# KiCad board demo_matrix2.kicad_pcb (continued)
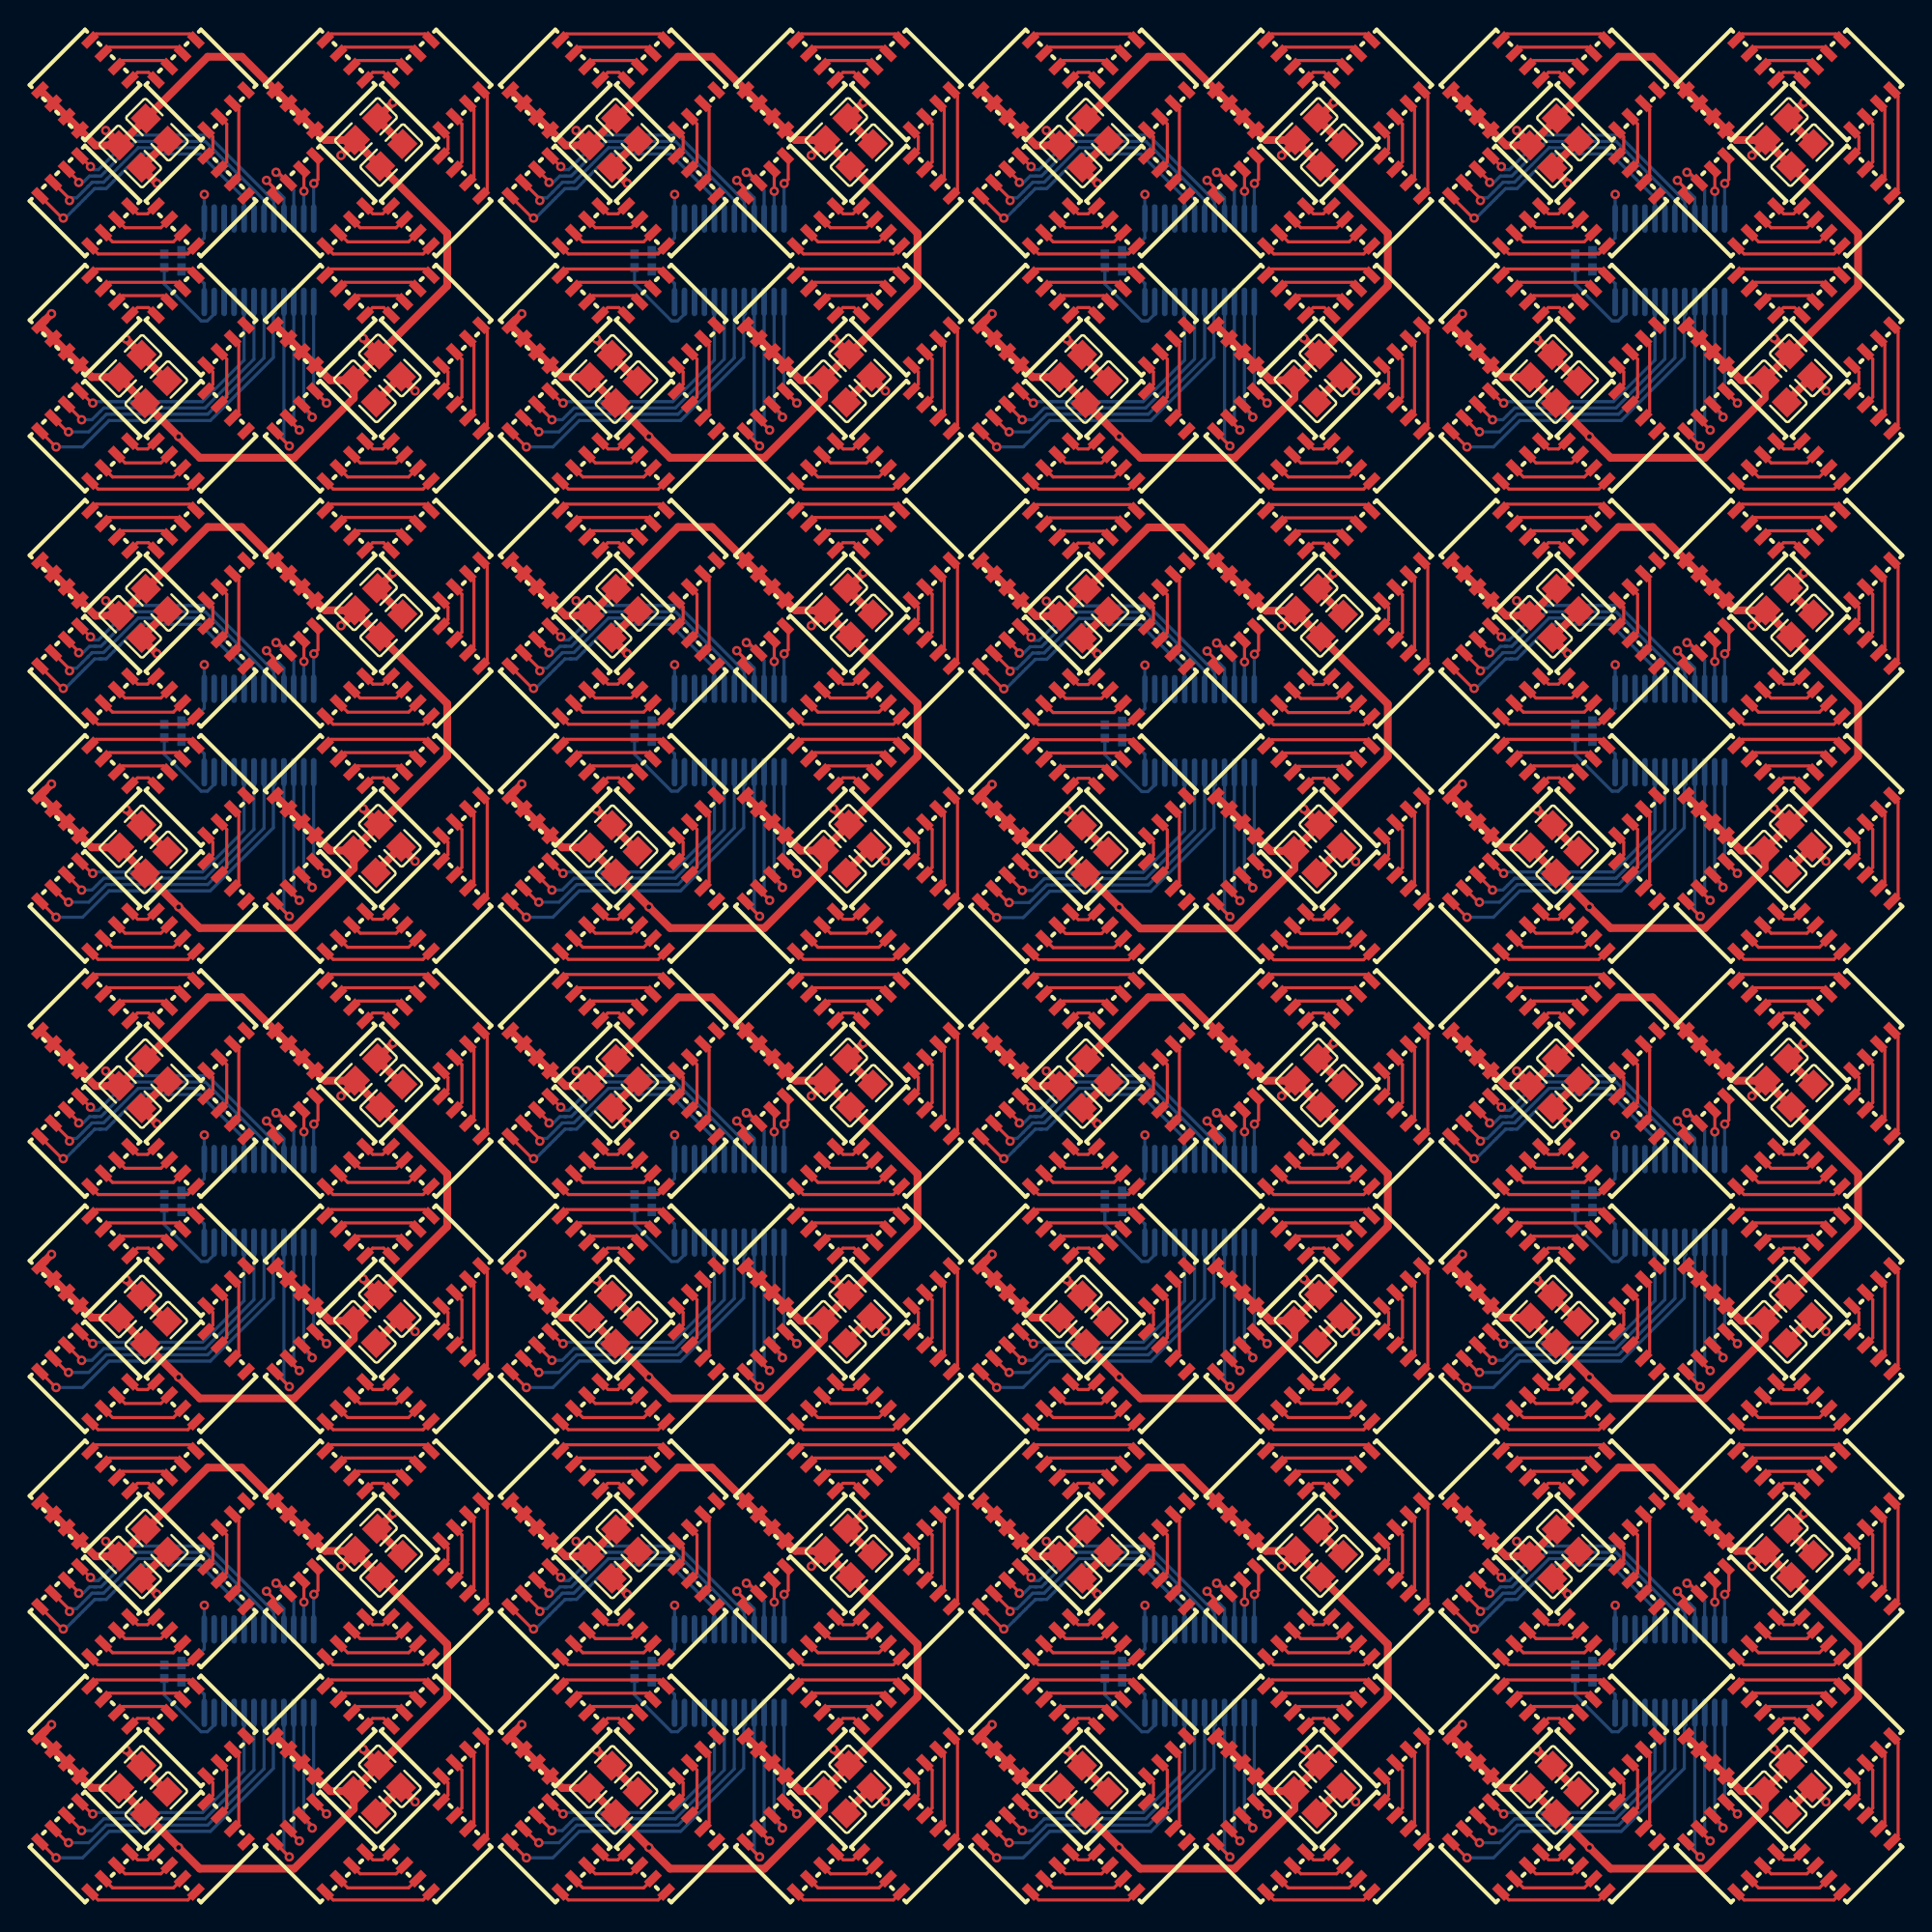
[diagram p0: board, top side]
## Routing (per net, layer and track width the routed paths; a pad name or vN(x,y) marks a point on that pad's centre or on a via; arc(x,y) is an arc through that point) (continued)
rgbs[2]-anodes-anode-2: length 3.7
  Top w0.2: LED2.5 12.84,109.91 12.84,107.49 LED3.6
rgbs[2]-anodes-anode-3: length 2
  Top w0.2: LED2.7 11.96,109.1 11.96,108.3 LED3.8
rgbs[2]-anodes-anode-4: length 5.4
  Top w0.2: LED7.4 28.61,106.56 28.61,110.84 LED6.3
rgbs[2]-anodes-anode-5: length 7.1
  Top w0.2: LED6.1 29.46,111.69 29.46,105.71 LED7.2
rgbs[2]-anodes-anode-6: length 3.7
  Top w0.2: LED6.5 27.84,109.91 27.84,107.49 LED7.6
rgbs[2]-anodes-anode-7: length 2
  Top w0.2: LED7.8 26.96,108.3 26.96,109.1 LED6.7
rgbs[2]-anodes-anode-8: length 5.4
  Top w0.2: LED11.4 13.61,91.56 13.61,95.84 LED10.3
rgbs[2]-anodes-anode-10: length 3.7
  Top w0.2: LED10.5 12.84,94.91 12.84,92.49 LED11.6
rgbs[2]-anodes-anode-11: length 2
  Top w0.2: LED10.7 11.96,94.1 11.96,93.3 LED11.8
rgbs[2]-anodes-anode-12: length 5.4
  Top w0.2: LED14.3 28.61,95.84 28.61,91.56 LED15.4
rgbs[2]-anodes-anode-13: length 7.1
  Top w0.2: LED14.1 29.46,96.69 29.46,90.71 LED15.2
rgbs[2]-anodes-anode-14: length 3.7
  Top w0.2: LED15.6 27.84,92.49 27.84,94.91 LED14.5
rgbs[2]-anodes-anode-15: length 2
  Top w0.2: LED15.8 26.96,93.3 26.96,94.1 LED14.7
rgbs[2]-anodes-anode-16: length 5.4
  Top w0.2: LED162.3 73.61,50.84 73.61,46.56 LED163.4
rgbs[2]-anodes-anode-18: length 3.7
  Top w0.2: LED163.6 72.84,47.49 72.84,49.91 LED162.5
rgbs[2]-anodes-anode-19: length 2
  Top w0.2: LED163.8 71.96,48.3 71.96,49.1 LED162.7
rgbs[2]-anodes-anode-20: length 5.4
  Top w0.2: LED166.3 88.61,50.84 88.61,46.56 LED167.4
rgbs[2]-anodes-anode-21: length 7.1
  Top w0.2: LED166.1 89.46,51.69 89.46,45.71 LED167.2
rgbs[2]-anodes-anode-22: length 3.7
  Top w0.2: LED166.5 87.84,49.91 87.84,47.49 LED167.6
rgbs[2]-anodes-anode-23: length 2
  Top w0.2: LED167.8 86.96,48.3 86.96,49.1 LED166.7
rgbs[2]-anodes-anode-24: length 5.4
  Top w0.2: LED170.3 73.61,35.84 73.61,31.56 LED171.4
rgbs[2]-anodes-anode-26: length 3.7
  Top w0.2: LED170.5 72.84,34.91 72.84,32.49 LED171.6
rgbs[2]-anodes-anode-27: length 2
  Top w0.2: LED171.8 71.96,33.3 71.96,34.1 LED170.7
rgbs[2]-anodes-anode-28: length 5.4
  Top w0.2: LED174.3 88.61,35.84 88.61,31.56 LED175.4
rgbs[2]-anodes-anode-29: length 7.1
  Top w0.2: LED174.1 89.46,36.69 89.46,30.71 LED175.2
rgbs[2]-anodes-anode-30: length 3.7
  Top w0.2: LED174.5 87.84,34.91 87.84,32.49 LED175.6
rgbs[2]-anodes-anode-31: length 2
  Top w0.2: LED174.7 86.96,34.1 86.96,33.3 LED175.8
rgbs[2]-anodes-anode-32: length 5.4
  Top w0.2: LED178.3 103.61,50.84 103.61,46.56 LED179.4
rgbs[2]-anodes-anode-34: length 3.7
  Top w0.2: LED178.5 102.84,49.91 102.84,47.49 LED179.6
rgbs[2]-anodes-anode-35: length 2
  Top w0.2: LED178.7 101.96,49.1 101.96,48.3 LED179.8
rgbs[2]-anodes-anode-36: length 5.4
  Top w0.2: LED182.3 118.61,50.84 118.61,46.56 LED183.4
rgbs[2]-anodes-anode-37: length 7.1
  Top w0.2: LED183.2 119.46,45.71 119.46,51.69 LED182.1
rgbs[2]-anodes-anode-38: length 3.7
  Top w0.2: LED182.5 117.84,49.91 117.84,47.49 LED183.6
rgbs[2]-anodes-anode-39: length 2
  Top w0.2: LED182.7 116.96,49.1 116.96,48.3 LED183.8
rgbs[2]-anodes-anode-40: length 5.4
  Top w0.2: LED187.4 103.61,31.56 103.61,35.84 LED186.3
rgbs[2]-anodes-anode-42: length 3.7
  Top w0.2: LED187.6 102.84,32.49 102.84,34.91 LED186.5
rgbs[2]-anodes-anode-43: length 2
  Top w0.2: LED186.7 101.96,34.1 101.96,33.3 LED187.8
rgbs[2]-anodes-anode-44: length 5.4
  Top w0.2: LED190.3 118.61,35.84 118.61,31.56 LED191.4
rgbs[2]-anodes-anode-45: length 7.1
  Top w0.2: LED191.2 119.46,30.71 119.46,36.69 LED190.1
rgbs[2]-anodes-anode-46: length 3.7
  Top w0.2: LED190.5 117.84,34.91 117.84,32.49 LED191.6
rgbs[2]-anodes-anode-47: length 2
  Top w0.2: LED191.8 116.96,33.3 116.96,34.1 LED190.7
rgbs[2]-anodes-anode-48: length 5.4
  Top w0.2: LED194.3 103.61,20.84 103.61,16.56 LED195.4
rgbs[2]-anodes-anode-50: length 3.7
  Top w0.2: LED195.6 102.84,17.49 102.84,19.91 LED194.5
rgbs[2]-anodes-anode-51: length 2
  Top w0.2: LED194.7 101.96,19.1 101.96,18.3 LED195.8
rgbs[2]-anodes-anode-52: length 5.4
  Top w0.2: LED199.4 118.61,16.56 118.61,20.84 LED198.3
rgbs[2]-anodes-anode-53: length 7.1
  Top w0.2: LED198.1 119.46,21.69 119.46,15.71 LED199.2
rgbs[2]-anodes-anode-54: length 3.7
  Top w0.2: LED199.6 117.84,17.49 117.84,19.91 LED198.5
rgbs[2]-anodes-anode-55: length 2
  Top w0.2: LED198.7 116.96,19.1 116.96,18.3 LED199.8
rgbs[2]-anodes-anode-56: length 5.4
  Top w0.2: LED203.4 103.61,1.56 103.61,5.84 LED202.3
rgbs[2]-anodes-anode-58: length 3.7
  Top w0.2: LED202.5 102.84,4.91 102.84,2.49 LED203.6
rgbs[2]-anodes-anode-59: length 2
  Top w0.2: LED203.8 101.96,3.3 101.96,4.1 LED202.7
rgbs[2]-anodes-anode-60: length 5.4
  Top w0.2: LED207.4 118.61,1.56 118.61,5.84 LED206.3
rgbs[2]-anodes-anode-61: length 7.1
  Top w0.2: LED207.2 119.46,0.71 119.46,6.69 LED206.1
rgbs[2]-anodes-anode-62: length 3.7
  Top w0.2: LED207.6 117.84,2.49 117.84,4.91 LED206.5
rgbs[2]-anodes-anode-63: length 2
  Top w0.2: LED206.7 116.96,4.1 116.96,3.3 LED207.8
rgbs[2]-anodes-anode-64: length 5.4
  Top w0.2: LED211.4 73.61,16.56 73.61,20.84 LED210.3
rgbs[2]-anodes-anode-66: length 3.7
  Top w0.2: LED210.5 72.84,19.91 72.84,17.49 LED211.6
rgbs[2]-anodes-anode-67: length 2
  Top w0.2: LED211.8 71.96,18.3 71.96,19.1 LED210.7
rgbs[2]-anodes-anode-68: length 5.4
  Top w0.2: LED215.4 88.61,16.56 88.61,20.84 LED214.3
rgbs[2]-anodes-anode-69: length 7.1
  Top w0.2: LED214.1 89.46,21.69 89.46,15.71 LED215.2
rgbs[2]-anodes-anode-70: length 3.7
  Top w0.2: LED215.6 87.84,17.49 87.84,19.91 LED214.5
rgbs[2]-anodes-anode-71: length 2
  Top w0.2: LED214.7 86.96,19.1 86.96,18.3 LED215.8
rgbs[2]-anodes-anode-72: length 5.4
  Top w0.2: LED219.4 73.61,1.56 73.61,5.84 LED218.3
rgbs[2]-anodes-anode-74: length 3.7
  Top w0.2: LED219.6 72.84,2.49 72.84,4.91 LED218.5
rgbs[2]-anodes-anode-75: length 2
  Top w0.2: LED219.8 71.96,3.3 71.96,4.1 LED218.7
rgbs[2]-anodes-anode-76: length 5.4
  Top w0.2: LED223.4 88.61,1.56 88.61,5.84 LED222.3
rgbs[2]-anodes-anode-77: length 7.1
  Top w0.2: LED223.2 89.46,0.71 89.46,6.69 LED222.1
rgbs[2]-anodes-anode-78: length 3.7
  Top w0.2: LED222.5 87.84,4.91 87.84,2.49 LED223.6
rgbs[2]-anodes-anode-79: length 2
  Top w0.2: LED222.7 86.96,4.1 86.96,3.3 LED223.8
rgbs[2]-anodes-anode-80: length 5.4
  Top w0.2: LED226.3 43.61,20.84 43.61,16.56 LED227.4
rgbs[2]-anodes-anode-82: length 3.7
  Top w0.2: LED226.5 42.84,19.91 42.84,17.49 LED227.6
rgbs[2]-anodes-anode-83: length 2
  Top w0.2: LED227.8 41.96,18.3 41.96,19.1 LED226.7
rgbs[2]-anodes-anode-84: length 5.4
  Top w0.2: LED230.3 58.61,20.84 58.61,16.56 LED231.4
rgbs[2]-anodes-anode-85: length 7.1
  Top w0.2: LED231.2 59.46,15.71 59.46,21.69 LED230.1
rgbs[2]-anodes-anode-86: length 3.7
  Top w0.2: LED230.5 57.84,19.91 57.84,17.49 LED231.6
rgbs[2]-anodes-anode-87: length 2
  Top w0.2: LED230.7 56.96,19.1 56.96,18.3 LED231.8
rgbs[2]-anodes-anode-88: length 5.4
  Top w0.2: LED235.4 43.61,1.56 43.61,5.84 LED234.3
rgbs[2]-anodes-anode-90: length 3.7
  Top w0.2: LED234.5 42.84,4.91 42.84,2.49 LED235.6
rgbs[2]-anodes-anode-91: length 2
  Top w0.2: LED235.8 41.96,3.3 41.96,4.1 LED234.7
rgbs[2]-anodes-anode-92: length 5.4
  Top w0.2: LED238.3 58.61,5.84 58.61,1.56 LED239.4
rgbs[2]-anodes-anode-93: length 7.1
  Top w0.2: LED238.1 59.46,6.69 59.46,0.71 LED239.2
rgbs[2]-anodes-anode-94: length 3.7
  Top w0.2: LED239.6 57.84,2.49 57.84,4.91 LED238.5
rgbs[2]-anodes-anode-95: length 2
  Top w0.2: LED239.8 56.96,3.3 56.96,4.1 LED238.7
rgbs[2]-anodes-anode-96: length 5.4
  Top w0.2: LED243.4 13.61,16.56 13.61,20.84 LED242.3
rgbs[2]-anodes-anode-98: length 3.7
  Top w0.2: LED243.6 12.84,17.49 12.84,19.91 LED242.5
rgbs[2]-anodes-anode-99: length 2
  Top w0.2: LED242.7 11.96,19.1 11.96,18.3 LED243.8
rgbs[2]-anodes-anode-100: length 5.4
  Top w0.2: LED247.4 28.61,16.56 28.61,20.84 LED246.3
rgbs[2]-anodes-anode-101: length 7.1
  Top w0.2: LED246.1 29.46,21.69 29.46,15.71 LED247.2
rgbs[2]-anodes-anode-102: length 3.7
  Top w0.2: LED247.6 27.84,17.49 27.84,19.91 LED246.5
rgbs[2]-anodes-anode-103: length 2
  Top w0.2: LED247.8 26.96,18.3 26.96,19.1 LED246.7
rgbs[2]-anodes-anode-104: length 5.4
  Top w0.2: LED250.3 13.61,5.84 13.61,1.56 LED251.4
rgbs[2]-anodes-anode-106: length 3.7
  Top w0.2: LED251.6 12.84,2.49 12.84,4.91 LED250.5
rgbs[2]-anodes-anode-107: length 2
  Top w0.2: LED250.7 11.96,4.1 11.96,3.3 LED251.8
rgbs[2]-anodes-anode-108: length 5.4
  Top w0.2: LED255.4 28.61,1.56 28.61,5.84 LED254.3
rgbs[2]-anodes-anode-109: length 7.1
  Top w0.2: LED255.2 29.46,0.71 29.46,6.69 LED254.1
rgbs[2]-anodes-anode-110: length 3.7
  Top w0.2: LED254.5 27.84,4.91 27.84,2.49 LED255.6
rgbs[2]-anodes-anode-111: length 2
  Top w0.2: LED254.7 26.96,4.1 26.96,3.3 LED255.8
rgbs[2]-anodes-anode-112: length 5.4
  Top w0.2: LED19.4 43.61,106.56 43.61,110.84 LED18.3
rgbs[2]-anodes-anode-114: length 3.7
  Top w0.2: LED18.5 42.84,109.91 42.84,107.49 LED19.6
rgbs[2]-anodes-anode-115: length 2
  Top w0.2: LED18.7 41.96,109.1 41.96,108.3 LED19.8
rgbs[2]-anodes-anode-116: length 5.4
  Top w0.2: LED23.4 58.61,106.56 58.61,110.84 LED22.3
rgbs[2]-anodes-anode-117: length 7.1
  Top w0.2: LED22.1 59.46,111.69 59.46,105.71 LED23.2
rgbs[2]-anodes-anode-118: length 3.7
  Top w0.2: LED22.5 57.84,109.91 57.84,107.49 LED23.6
rgbs[2]-anodes-anode-119: length 2
  Top w0.2: LED22.7 56.96,109.1 56.96,108.3 LED23.8
rgbs[2]-anodes-anode-120: length 5.4
  Top w0.2: LED26.3 43.61,95.84 43.61,91.56 LED27.4
rgbs[2]-anodes-anode-122: length 3.7
  Top w0.2: LED27.6 42.84,92.49 42.84,94.91 LED26.5
rgbs[2]-anodes-anode-123: length 2
  Top w0.2: LED27.8 41.96,93.3 41.96,94.1 LED26.7
rgbs[2]-anodes-anode-124: length 5.4
  Top w0.2: LED31.4 58.61,91.56 58.61,95.84 LED30.3
rgbs[2]-anodes-anode-125: length 7.1
  Top w0.2: LED31.2 59.46,90.71 59.46,96.69 LED30.1
rgbs[2]-anodes-anode-126: length 3.7
  Top w0.2: LED30.5 57.84,94.91 57.84,92.49 LED31.6
rgbs[2]-anodes-anode-127: length 2
  Top w0.2: LED31.8 56.96,93.3 56.96,94.1 LED30.7
rgbs[2]-anodes-anode-128: length 5.4
  Top w0.2: LED34.3 73.61,110.84 73.61,106.56 LED35.4
rgbs[2]-anodes-anode-130: length 3.7
  Top w0.2: LED35.6 72.84,107.49 72.84,109.91 LED34.5
rgbs[2]-anodes-anode-131: length 2
  Top w0.2: LED35.8 71.96,108.3 71.96,109.1 LED34.7
rgbs[2]-anodes-anode-132: length 5.4
  Top w0.2: LED38.3 88.61,110.84 88.61,106.56 LED39.4
rgbs[2]-anodes-anode-133: length 7.1
  Top w0.2: LED39.2 89.46,105.71 89.46,111.69 LED38.1
rgbs[2]-anodes-anode-134: length 3.7
  Top w0.2: LED39.6 87.84,107.49 87.84,109.91 LED38.5
rgbs[2]-anodes-anode-135: length 2
  Top w0.2: LED39.8 86.96,108.3 86.96,109.1 LED38.7
rgbs[2]-anodes-anode-136: length 5.4
  Top w0.2: LED42.3 73.61,95.84 73.61,91.56 LED43.4
rgbs[2]-anodes-anode-138: length 3.7
  Top w0.2: LED43.6 72.84,92.49 72.84,94.91 LED42.5
rgbs[2]-anodes-anode-139: length 2
  Top w0.2: LED43.8 71.96,93.3 71.96,94.1 LED42.7
rgbs[2]-anodes-anode-140: length 5.4
  Top w0.2: LED46.3 88.61,95.84 88.61,91.56 LED47.4
rgbs[2]-anodes-anode-141: length 7.1
  Top w0.2: LED47.2 89.46,90.71 89.46,96.69 LED46.1
rgbs[2]-anodes-anode-142: length 3.7
  Top w0.2: LED46.5 87.84,94.91 87.84,92.49 LED47.6
rgbs[2]-anodes-anode-143: length 2
  Top w0.2: LED46.7 86.96,94.1 86.96,93.3 LED47.8
rgbs[2]-anodes-anode-144: length 5.4
  Top w0.2: LED51.4 103.61,106.56 103.61,110.84 LED50.3
rgbs[2]-anodes-anode-146: length 3.7
  Top w0.2: LED51.6 102.84,107.49 102.84,109.91 LED50.5
rgbs[2]-anodes-anode-147: length 2
  Top w0.2: LED50.7 101.96,109.1 101.96,108.3 LED51.8
rgbs[2]-anodes-anode-148: length 5.4
  Top w0.2: LED54.3 118.61,110.84 118.61,106.56 LED55.4
rgbs[2]-anodes-anode-149: length 7.1
  Top w0.2: LED55.2 119.46,105.71 119.46,111.69 LED54.1
rgbs[2]-anodes-anode-150: length 3.7
  Top w0.2: LED55.6 117.84,107.49 117.84,109.91 LED54.5
rgbs[2]-anodes-anode-151: length 2
  Top w0.2: LED55.8 116.96,108.3 116.96,109.1 LED54.7
rgbs[2]-anodes-anode-152: length 5.4
  Top w0.2: LED58.3 103.61,95.84 103.61,91.56 LED59.4
rgbs[2]-anodes-anode-154: length 3.7
  Top w0.2: LED59.6 102.84,92.49 102.84,94.91 LED58.5
rgbs[2]-anodes-anode-155: length 2
  Top w0.2: LED58.7 101.96,94.1 101.96,93.3 LED59.8
rgbs[2]-anodes-anode-156: length 5.4
  Top w0.2: LED63.4 118.61,91.56 118.61,95.84 LED62.3
rgbs[2]-anodes-anode-157: length 7.1
  Top w0.2: LED62.1 119.46,96.69 119.46,90.71 LED63.2
rgbs[2]-anodes-anode-158: length 3.7
  Top w0.2: LED63.6 117.84,92.49 117.84,94.91 LED62.5
rgbs[2]-anodes-anode-159: length 2
  Top w0.2: LED63.8 116.96,93.3 116.96,94.1 LED62.7
rgbs[2]-anodes-anode-160: length 5.4
  Top w0.2: LED67.4 103.61,76.56 103.61,80.84 LED66.3
rgbs[2]-anodes-anode-162: length 3.7
  Top w0.2: LED66.5 102.84,79.91 102.84,77.49 LED67.6
rgbs[2]-anodes-anode-163: length 2
  Top w0.2: LED67.8 101.96,78.3 101.96,79.1 LED66.7
rgbs[2]-anodes-anode-164: length 5.4
  Top w0.2: LED71.4 118.61,76.56 118.61,80.84 LED70.3
rgbs[2]-anodes-anode-165: length 7.1
  Top w0.2: LED71.2 119.46,75.71 119.46,81.68 LED70.1
rgbs[2]-anodes-anode-166: length 3.7
  Top w0.2: LED71.6 117.84,77.49 117.84,79.91 LED70.5
rgbs[2]-anodes-anode-167: length 2
  Top w0.2: LED70.7 116.96,79.1 116.96,78.3 LED71.8
rgbs[2]-anodes-anode-168: length 5.4
  Top w0.2: LED74.3 103.61,65.84 103.61,61.56 LED75.4
rgbs[2]-anodes-anode-170: length 3.7
  Top w0.2: LED75.6 102.84,62.49 102.84,64.91 LED74.5
rgbs[2]-anodes-anode-171: length 2
  Top w0.2: LED74.7 101.96,64.1 101.96,63.3 LED75.8
rgbs[2]-anodes-anode-172: length 5.4
  Top w0.2: LED79.4 118.61,61.56 118.61,65.84 LED78.3
rgbs[2]-anodes-anode-173: length 7.1
  Top w0.2: LED79.2 119.46,60.71 119.46,66.68 LED78.1
rgbs[2]-anodes-anode-174: length 3.7
  Top w0.2: LED78.5 117.84,64.91 117.84,62.49 LED79.6
rgbs[2]-anodes-anode-175: length 2
  Top w0.2: LED79.8 116.96,63.3 116.96,64.1 LED78.7
rgbs[2]-anodes-anode-176: length 5.4
  Top w0.2: LED83.4 73.61,76.54 73.61,80.81 LED82.3
rgbs[2]-anodes-anode-178: length 3.7
  Top w0.2: LED83.6 72.84,77.47 72.84,79.88 LED82.5
rgbs[2]-anodes-anode-179: length 2
  Top w0.2: LED82.7 71.96,79.07 71.96,78.28 LED83.8
rgbs[2]-anodes-anode-180: length 5.4
  Top w0.2: LED86.3 88.61,80.81 88.61,76.54 LED87.4
rgbs[2]-anodes-anode-181: length 7.1
  Top w0.2: LED86.1 89.46,81.66 89.46,75.69 LED87.2
rgbs[2]-anodes-anode-182: length 3.7
  Top w0.2: LED87.6 87.84,77.47 87.84,79.88 LED86.5
rgbs[2]-anodes-anode-183: length 2
  Top w0.2: LED87.8 86.96,78.28 86.96,79.07 LED86.7
rgbs[2]-anodes-anode-184: length 5.4
  Top w0.2: LED90.3 73.61,65.81 73.61,61.54 LED91.4
rgbs[2]-anodes-anode-186: length 3.7
  Top w0.2: LED90.5 72.84,64.88 72.84,62.47 LED91.6
rgbs[2]-anodes-anode-187: length 2
  Top w0.2: LED91.8 71.96,63.28 71.96,64.07 LED90.7
rgbs[2]-anodes-anode-188: length 5.4
  Top w0.2: LED94.3 88.61,65.81 88.61,61.54 LED95.4
rgbs[2]-anodes-anode-189: length 7.1
  Top w0.2: LED94.1 89.46,66.66 89.46,60.69 LED95.2
rgbs[2]-anodes-anode-190: length 3.7
  Top w0.2: LED94.5 87.84,64.88 87.84,62.47 LED95.6
rgbs[2]-anodes-anode-191: length 2
  Top w0.2: LED94.7 86.96,64.07 86.96,63.28 LED95.8
rgbs[2]-anodes-anode-192: length 5.4
  Top w0.2: LED99.4 43.61,76.56 43.61,80.84 LED98.3
rgbs[2]-anodes-anode-194: length 3.7
  Top w0.2: LED99.6 42.84,77.49 42.84,79.91 LED98.5
rgbs[2]-anodes-anode-195: length 2
  Top w0.2: LED99.8 41.96,78.3 41.96,79.1 LED98.7
rgbs[2]-anodes-anode-196: length 5.4
  Top w0.2: LED103.4 58.61,76.56 58.61,80.84 LED102.3
rgbs[2]-anodes-anode-197: length 7.1
  Top w0.2: LED102.1 59.46,81.69 59.46,75.71 LED103.2
rgbs[2]-anodes-anode-198: length 3.7
  Top w0.2: LED102.5 57.84,79.91 57.84,77.49 LED103.6
rgbs[2]-anodes-anode-199: length 2
  Top w0.2: LED102.7 56.96,79.1 56.96,78.3 LED103.8
rgbs[2]-anodes-anode-200: length 5.4
  Top w0.2: LED107.4 43.61,61.56 43.61,65.84 LED106.3
rgbs[2]-anodes-anode-202: length 3.7
  Top w0.2: LED106.5 42.84,64.91 42.84,62.49 LED107.6
rgbs[2]-anodes-anode-203: length 2
  Top w0.2: LED106.7 41.96,64.1 41.96,63.3 LED107.8
rgbs[2]-anodes-anode-204: length 5.4
  Top w0.2: LED110.3 58.61,65.84 58.61,61.56 LED111.4
rgbs[2]-anodes-anode-205: length 7.1
  Top w0.2: LED111.2 59.46,60.71 59.46,66.69 LED110.1
rgbs[2]-anodes-anode-206: length 3.7
  Top w0.2: LED111.6 57.84,62.49 57.84,64.91 LED110.5
rgbs[2]-anodes-anode-207: length 2
  Top w0.2: LED110.7 56.96,64.1 56.96,63.3 LED111.8
rgbs[2]-anodes-anode-208: length 5.4
  Top w0.2: LED115.4 13.61,76.56 13.61,80.84 LED114.3
rgbs[2]-anodes-anode-210: length 3.7
  Top w0.2: LED114.5 12.84,79.91 12.84,77.49 LED115.6
rgbs[2]-anodes-anode-211: length 2
  Top w0.2: LED114.7 11.96,79.1 11.96,78.3 LED115.8
rgbs[2]-anodes-anode-212: length 5.4
  Top w0.2: LED118.3 28.61,80.84 28.61,76.56 LED119.4
rgbs[2]-anodes-anode-213: length 7.1
  Top w0.2: LED119.2 29.46,75.71 29.46,81.69 LED118.1
rgbs[2]-anodes-anode-214: length 3.7
  Top w0.2: LED118.5 27.84,79.91 27.84,77.49 LED119.6
rgbs[2]-anodes-anode-215: length 2
  Top w0.2: LED119.8 26.96,78.3 26.96,79.1 LED118.7
rgbs[2]-anodes-anode-216: length 5.4
  Top w0.2: LED122.3 13.61,65.84 13.61,61.56 LED123.4
rgbs[2]-anodes-anode-218: length 3.7
  Top w0.2: LED122.5 12.84,64.91 12.84,62.49 LED123.6
rgbs[2]-anodes-anode-219: length 2
  Top w0.2: LED122.7 11.96,64.1 11.96,63.3 LED123.8
rgbs[2]-anodes-anode-220: length 5.4
  Top w0.2: LED126.3 28.61,65.84 28.61,61.56 LED127.4
rgbs[2]-anodes-anode-221: length 7.1
  Top w0.2: LED127.2 29.46,60.71 29.46,66.69 LED126.1
rgbs[2]-anodes-anode-222: length 3.7
  Top w0.2: LED127.6 27.84,62.49 27.84,64.91 LED126.5
rgbs[2]-anodes-anode-223: length 2
  Top w0.2: LED126.7 26.96,64.1 26.96,63.3 LED127.8
rgbs[2]-anodes-anode-224: length 5.4
  Top w0.2: LED131.4 13.61,46.56 13.61,50.84 LED130.3
rgbs[2]-anodes-anode-226: length 3.7
  Top w0.2: LED131.6 12.84,47.49 12.84,49.91 LED130.5
rgbs[2]-anodes-anode-227: length 2
  Top w0.2: LED130.7 11.96,49.1 11.96,48.3 LED131.8
rgbs[2]-anodes-anode-228: length 5.4
  Top w0.2: LED135.4 28.61,46.56 28.61,50.84 LED134.3
rgbs[2]-anodes-anode-229: length 7.1
  Top w0.2: LED135.2 29.46,45.71 29.46,51.69 LED134.1
rgbs[2]-anodes-anode-230: length 3.7
  Top w0.2: LED134.5 27.84,49.91 27.84,47.49 LED135.6
rgbs[2]-anodes-anode-231: length 2
  Top w0.2: LED135.8 26.96,48.3 26.96,49.1 LED134.7
rgbs[2]-anodes-anode-232: length 5.4
  Top w0.2: LED139.4 13.61,31.56 13.61,35.84 LED138.3
rgbs[2]-anodes-anode-234: length 3.7
  Top w0.2: LED138.5 12.84,34.91 12.84,32.49 LED139.6
rgbs[2]-anodes-anode-235: length 2
  Top w0.2: LED138.7 11.96,34.1 11.96,33.3 LED139.8
rgbs[2]-anodes-anode-236: length 5.4
  Top w0.2: LED142.3 28.61,35.84 28.61,31.56 LED143.4
rgbs[2]-anodes-anode-237: length 7.1
  Top w0.2: LED142.1 29.46,36.69 29.46,30.71 LED143.2
rgbs[2]-anodes-anode-238: length 3.7
  Top w0.2: LED142.5 27.84,34.91 27.84,32.49 LED143.6
rgbs[2]-anodes-anode-239: length 2
  Top w0.2: LED142.7 26.96,34.1 26.96,33.3 LED143.8
rgbs[2]-anodes-anode-240: length 5.4
  Top w0.2: LED147.4 43.61,46.56 43.61,50.84 LED146.3
rgbs[2]-anodes-anode-242: length 3.7
  Top w0.2: LED147.6 42.84,47.49 42.84,49.91 LED146.5
rgbs[2]-anodes-anode-243: length 2
  Top w0.2: LED146.7 41.96,49.1 41.96,48.3 LED147.8
rgbs[2]-anodes-anode-244: length 5.4
  Top w0.2: LED150.3 58.61,50.84 58.61,46.56 LED151.4
rgbs[2]-anodes-anode-245: length 7.1
  Top w0.2: LED150.1 59.46,51.69 59.46,45.71 LED151.2
rgbs[2]-anodes-anode-246: length 3.7
  Top w0.2: LED150.5 57.84,49.91 57.84,47.49 LED151.6
rgbs[2]-anodes-anode-247: length 2
  Top w0.2: LED150.7 56.96,49.1 56.96,48.3 LED151.8
rgbs[2]-anodes-anode-248: length 5.4
  Top w0.2: LED155.4 43.61,31.56 43.61,35.84 LED154.3
rgbs[2]-anodes-anode-250: length 3.7
  Top w0.2: LED154.5 42.84,34.91 42.84,32.49 LED155.6
rgbs[2]-anodes-anode-251: length 2
  Top w0.2: LED154.7 41.96,34.1 41.96,33.3 LED155.8
rgbs[2]-anodes-anode-252: length 5.4
  Top w0.2: LED159.4 58.61,31.56 58.61,35.84 LED158.3
rgbs[2]-anodes-anode-253: length 7.1
  Top w0.2: LED159.2 59.46,30.71 59.46,36.69 LED158.1
rgbs[2]-anodes-anode-254: length 3.7
  Top w0.2: LED158.5 57.84,34.91 57.84,32.49 LED159.6
rgbs[2]-anodes-anode-255: length 2
  Top w0.2: LED159.8 56.96,33.3 56.96,34.1 LED158.7
rgbs[3]-anodes-anode-0: length 5.5
  Top w0.2: LED3.3 9.44,102.39 5.56,102.39 LED4.4
rgbs[3]-anodes-anode-1: length 7.2
  Top w0.2: LED4.2 4.63,101.62 10.37,101.62 LED3.1
rgbs[3]-anodes-anode-2: length 3.8
  Top w0.2: LED4.6 6.36,103.29 8.64,103.29 LED3.5
rgbs[3]-anodes-anode-3: length 2.1
  Top w0.2: LED4.8 7.16,104.18 7.79,104.18 8.25,104.64 8.29,104.64 LED3.7
rgbs[3]-anodes-anode-4: length 5.5
  Top w0.2: LED8.4 20.56,102.39 24.44,102.39 LED7.3
rgbs[3]-anodes-anode-5: length 7.2
  Top w0.2: LED7.1 25.37,101.62 19.63,101.62 LED8.2
rgbs[3]-anodes-anode-6: length 3.8
  Top w0.2: LED7.5 23.64,103.29 21.36,103.29 LED8.6
rgbs[3]-anodes-anode-7: length 2.1
  Top w0.2: LED8.8 22.16,104.18 22.79,104.18 23.25,104.64 23.29,104.64 LED7.7
rgbs[3]-anodes-anode-8: length 5.5
  Top w0.2: LED11.3 9.44,87.39 5.56,87.39 LED12.4
rgbs[3]-anodes-anode-9: length 7.2
  Top w0.2: LED12.2 4.63,86.62 10.37,86.62 LED11.1
rgbs[3]-anodes-anode-10: length 3.8
  Top w0.2: LED12.6 6.36,88.29 8.64,88.29 LED11.5
rgbs[3]-anodes-anode-11: length 2.1
  Top w0.2: LED11.7 8.29,89.64 8.25,89.64 7.79,89.18 7.16,89.18 LED12.8
rgbs[3]-anodes-anode-12: length 5.5
  Top w0.2: LED15.3 24.44,87.39 20.56,87.39 LED16.4
rgbs[3]-anodes-anode-13: length 7.2
  Top w0.2: LED16.2 19.63,86.62 25.37,86.62 LED15.1
rgbs[3]-anodes-anode-14: length 3.8
  Top w0.2: LED16.6 21.36,88.29 23.64,88.29 LED15.5
rgbs[3]-anodes-anode-15: length 2.1
  Top w0.2: LED16.8 22.16,89.18 22.79,89.18 23.25,89.64 23.29,89.64 LED15.7
rgbs[3]-anodes-anode-16: length 5.5
  Top w0.2: LED163.3 69.44,42.39 65.56,42.39 LED164.4
rgbs[3]-anodes-anode-17: length 7.2
  Top w0.2: LED164.2 64.63,41.62 70.37,41.62 LED163.1
rgbs[3]-anodes-anode-18: length 3.8
  Top w0.2: LED164.6 66.36,43.29 68.64,43.29 LED163.5
rgbs[3]-anodes-anode-19: length 2.1
  Top w0.2: LED163.7 68.29,44.64 68.25,44.64 67.79,44.18 67.16,44.18 LED164.8
rgbs[3]-anodes-anode-20: length 5.5
  Top w0.2: LED168.4 80.56,42.39 84.44,42.39 LED167.3
rgbs[3]-anodes-anode-21: length 7.2
  Top w0.2: LED167.1 85.37,41.62 79.63,41.62 LED168.2
rgbs[3]-anodes-anode-22: length 3.8
  Top w0.2: LED168.6 81.36,43.29 83.64,43.29 LED167.5
rgbs[3]-anodes-anode-23: length 2.1
  Top w0.2: LED167.7 83.29,44.64 83.25,44.64 82.79,44.18 82.16,44.18 LED168.8
rgbs[3]-anodes-anode-24: length 5.5
  Top w0.2: LED172.4 65.56,27.39 69.44,27.39 LED171.3
rgbs[3]-anodes-anode-25: length 7.2
  Top w0.2: LED171.1 70.37,26.62 64.63,26.62 LED172.2
rgbs[3]-anodes-anode-26: length 3.8
  Top w0.2: LED171.5 68.64,28.29 66.36,28.29 LED172.6
rgbs[3]-anodes-anode-27: length 2.1
  Top w0.2: LED172.8 67.16,29.18 67.79,29.18 68.25,29.64 68.29,29.64 LED171.7
rgbs[3]-anodes-anode-28: length 5.5
  Top w0.2: LED175.3 84.44,27.39 80.56,27.39 LED176.4
rgbs[3]-anodes-anode-29: length 7.2
  Top w0.2: LED175.1 85.37,26.62 79.63,26.62 LED176.2
rgbs[3]-anodes-anode-30: length 3.8
  Top w0.2: LED175.5 83.64,28.29 81.36,28.29 LED176.6
rgbs[3]-anodes-anode-31: length 2.1
  Top w0.2: LED176.8 82.16,29.18 82.79,29.18 83.25,29.64 83.29,29.64 LED175.7
rgbs[3]-anodes-anode-32: length 5.5
  Top w0.2: LED179.3 99.44,42.39 95.56,42.39 LED180.4
rgbs[3]-anodes-anode-33: length 7.2
  Top w0.2: LED180.2 94.63,41.62 100.37,41.62 LED179.1
rgbs[3]-anodes-anode-34: length 3.8
  Top w0.2: LED180.6 96.36,43.29 98.64,43.29 LED179.5
rgbs[3]-anodes-anode-35: length 2.1
  Top w0.2: LED180.8 97.16,44.18 97.79,44.18 98.25,44.64 98.29,44.64 LED179.7
rgbs[3]-anodes-anode-36: length 5.5
  Top w0.2: LED183.3 114.44,42.39 110.56,42.39 LED184.4
rgbs[3]-anodes-anode-37: length 7.2
  Top w0.2: LED183.1 115.37,41.62 109.63,41.62 LED184.2
rgbs[3]-anodes-anode-38: length 3.8
  Top w0.2: LED184.6 111.36,43.29 113.64,43.29 LED183.5
rgbs[3]-anodes-anode-39: length 2.1
  Top w0.2: LED184.8 112.16,44.18 112.79,44.18 113.25,44.64 113.29,44.64 LED183.7
rgbs[3]-anodes-anode-40: length 5.5
  Top w0.2: LED188.4 95.56,27.39 99.44,27.39 LED187.3
rgbs[3]-anodes-anode-41: length 7.2
  Top w0.2: LED187.1 100.37,26.62 94.63,26.62 LED188.2
rgbs[3]-anodes-anode-42: length 3.8
  Top w0.2: LED188.6 96.36,28.29 98.64,28.29 LED187.5
rgbs[3]-anodes-anode-43: length 2.1
  Top w0.2: LED188.8 97.16,29.18 97.79,29.18 98.25,29.64 98.29,29.64 LED187.7
rgbs[3]-anodes-anode-44: length 5.5
  Top w0.2: LED191.3 114.44,27.39 110.56,27.39 LED192.4
rgbs[3]-anodes-anode-45: length 7.2
  Top w0.2: LED192.2 109.63,26.62 115.37,26.62 LED191.1
rgbs[3]-anodes-anode-46: length 3.8
  Top w0.2: LED192.6 111.36,28.29 113.64,28.29 LED191.5
rgbs[3]-anodes-anode-47: length 2.1
  Top w0.2: LED192.8 112.16,29.18 112.79,29.18 113.25,29.64 113.29,29.64 LED191.7
rgbs[3]-anodes-anode-48: length 5.5
  Top w0.2: LED195.3 99.44,12.39 95.56,12.39 LED196.4
rgbs[3]-anodes-anode-49: length 7.2
  Top w0.2: LED196.2 94.63,11.62 100.37,11.62 LED195.1
rgbs[3]-anodes-anode-50: length 3.8
  Top w0.2: LED196.6 96.36,13.29 98.64,13.29 LED195.5
rgbs[3]-anodes-anode-51: length 2.1
  Top w0.2: LED196.8 97.16,14.18 97.79,14.18 98.25,14.64 98.29,14.64 LED195.7